# Altium PCB DC-DC_Conv.PcbDoc (part 1 of 3) (continued)
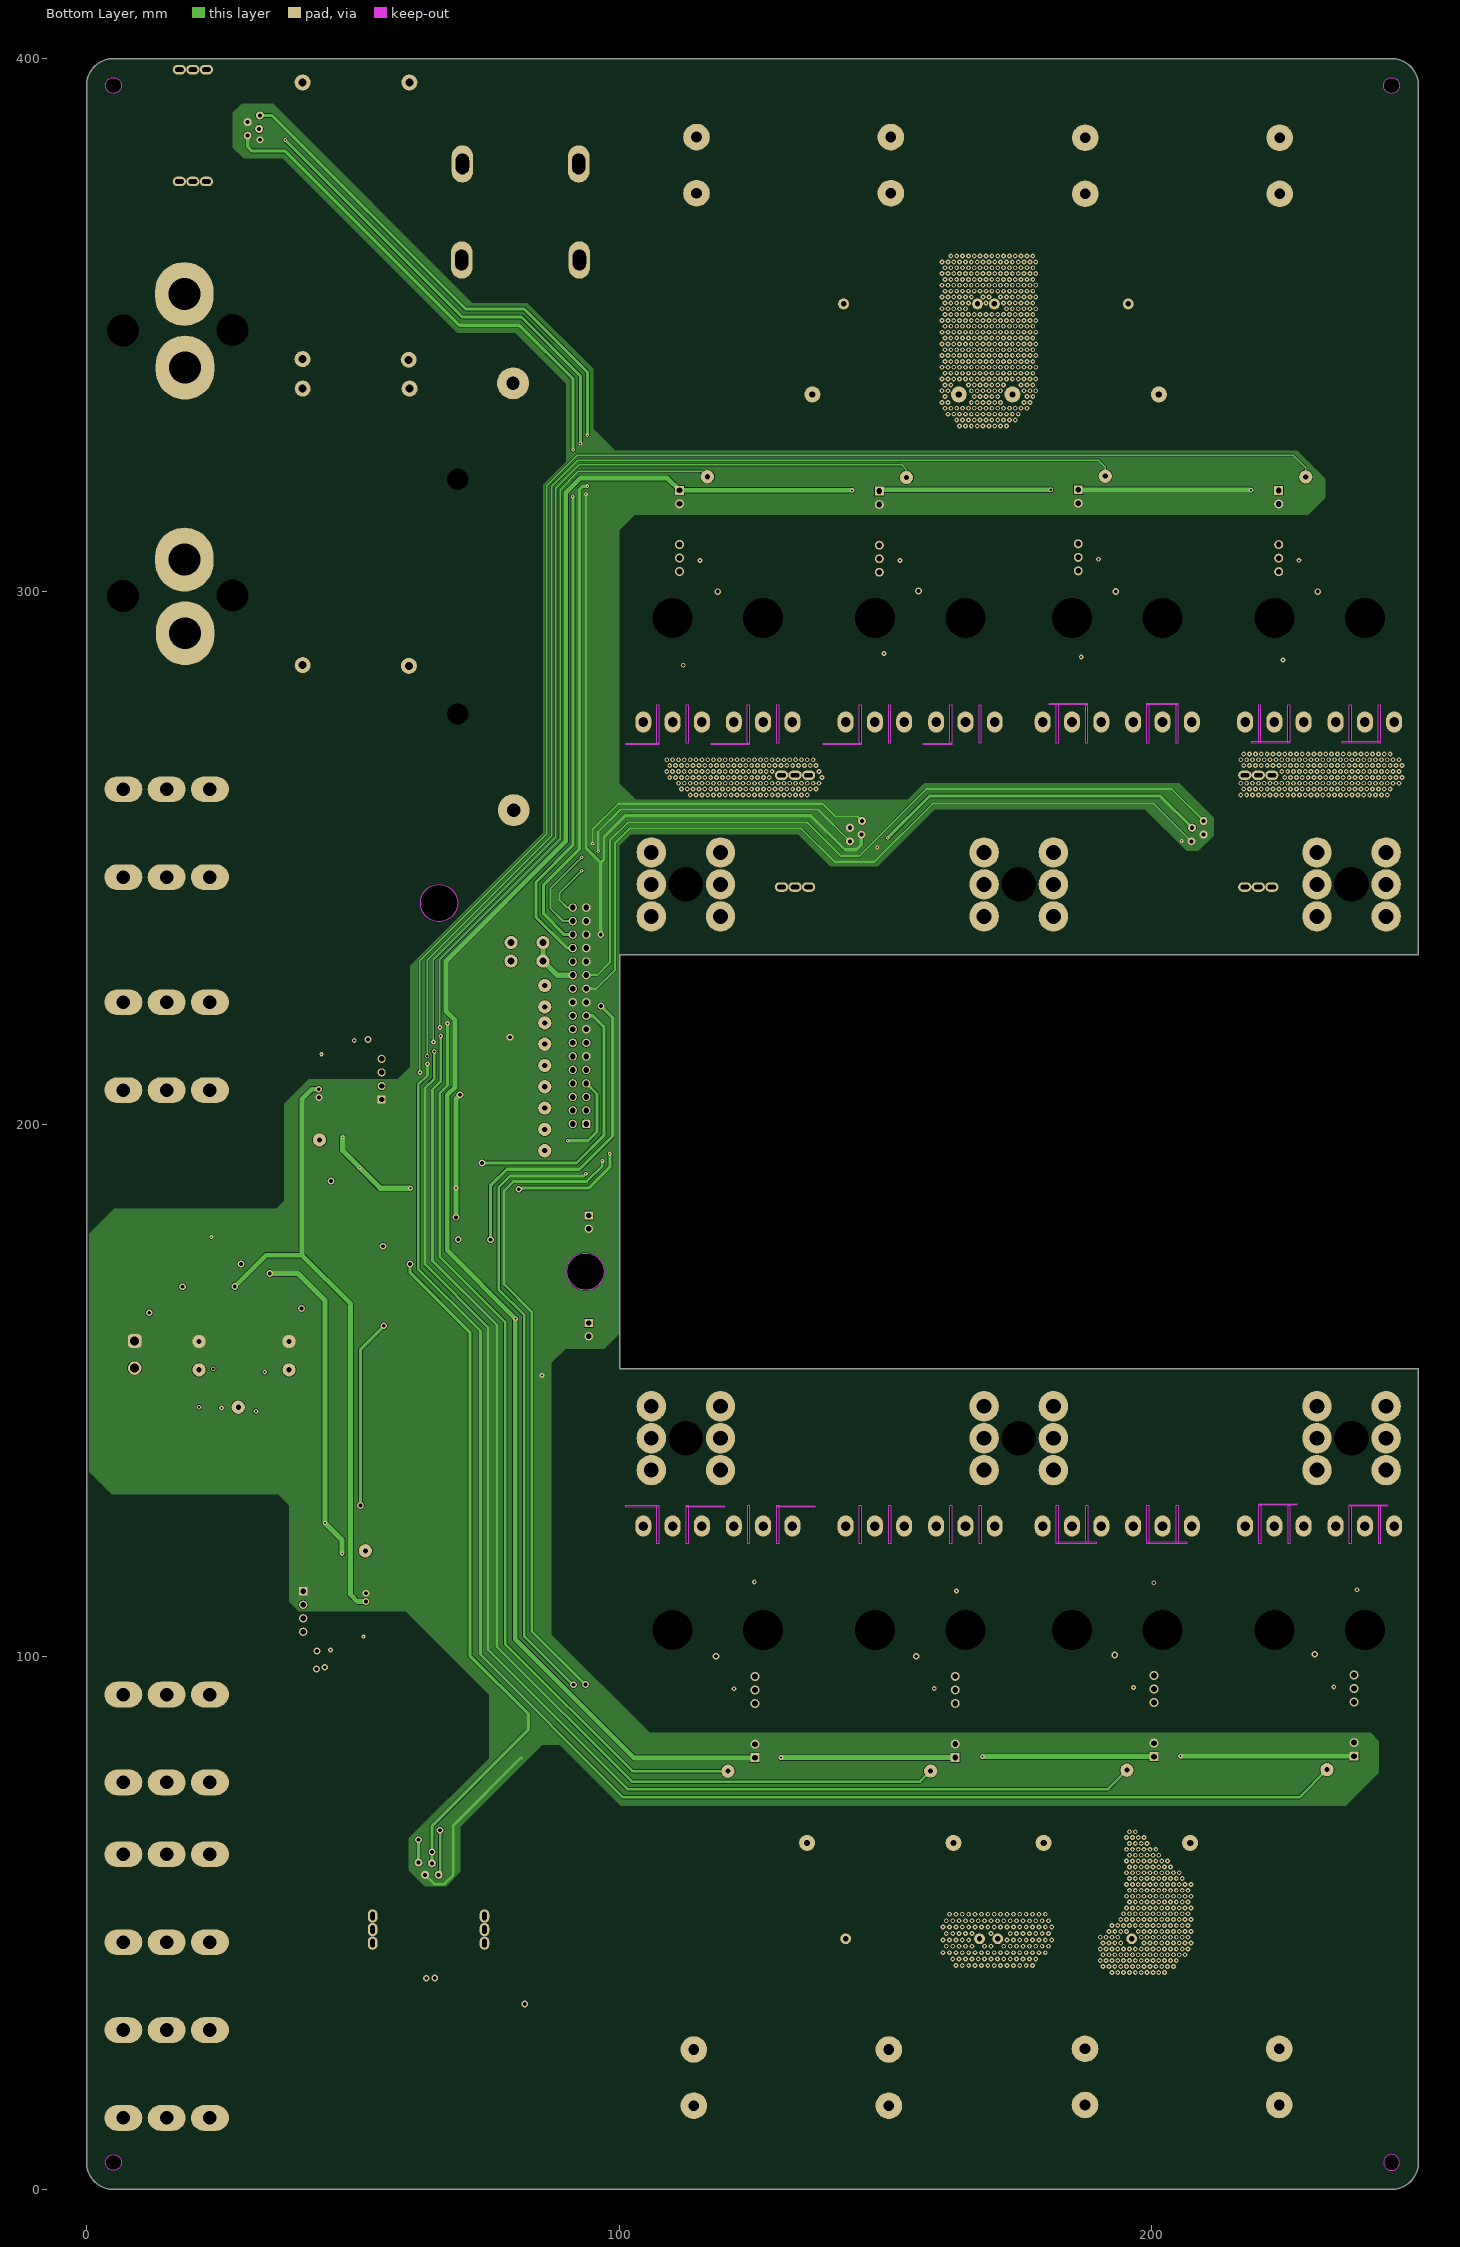
[diagram p3: Bottom Layer]
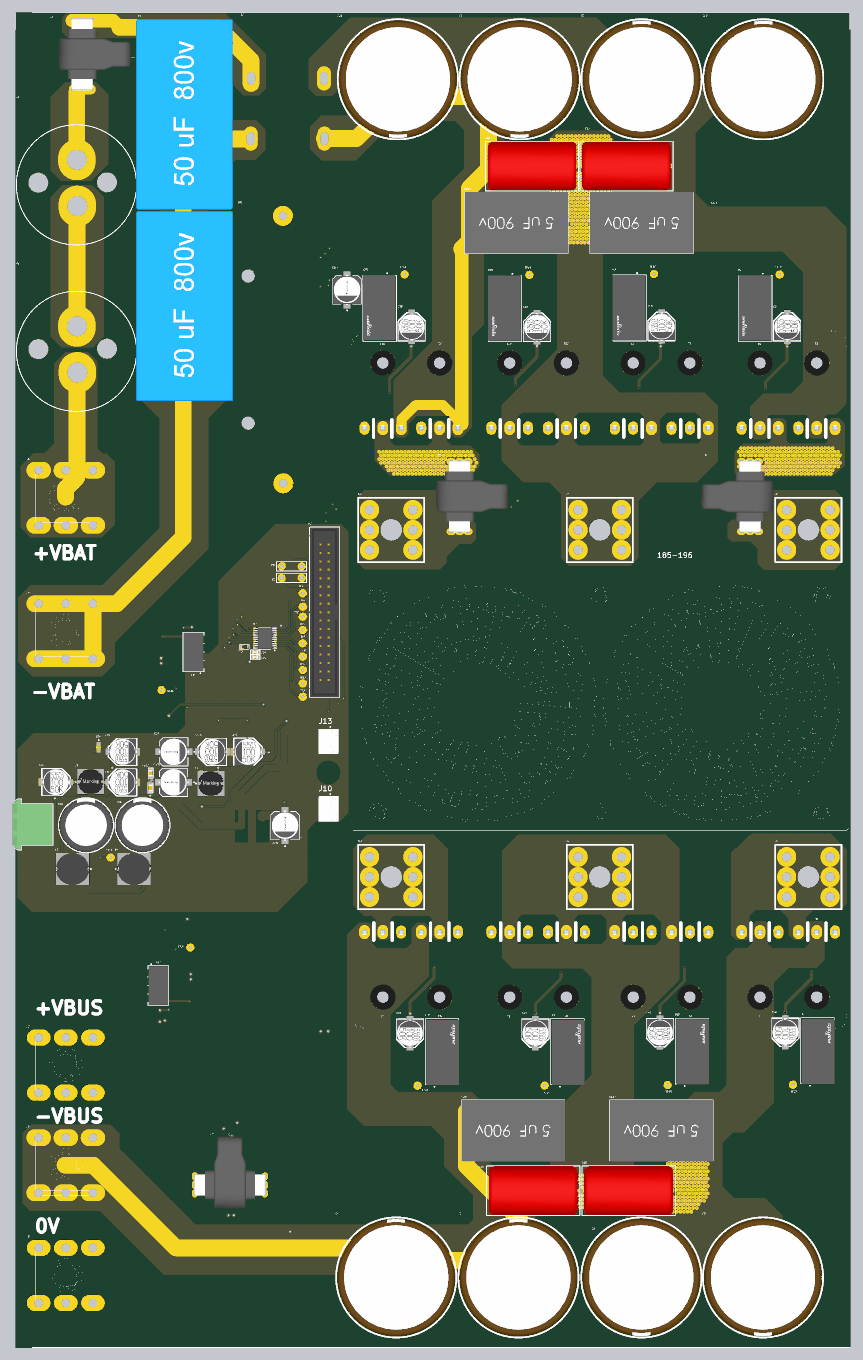
[diagram p6: 3D render of the assembled board from above, using the file's embedded part models]
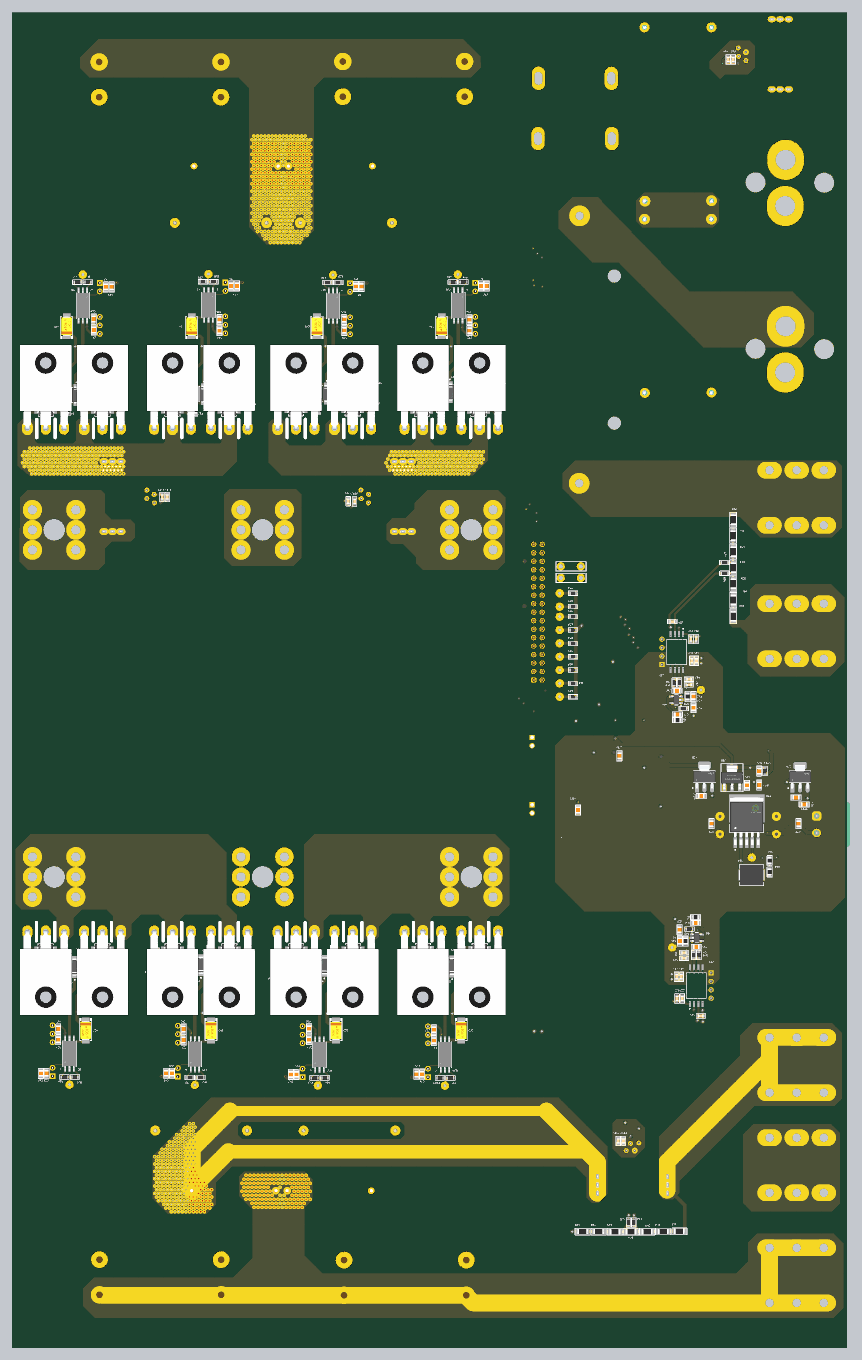
[diagram p7: 3D render of the assembled board from below, using the file's embedded part models]

## Layer stack, top to bottom
Top Solder: solder mask 0.0102, Solder Resist, Dk 3.5
Top Layer 1: signal copper 0.035
Dielectric 2: prepreg 0.0711, PP-006, Dk 4.1
Top Layer: signal copper 0.0356
Dielectric 1: dielectric 0.32, FR-4, Dk 4.8
Bottom Layer: signal copper 0.0356
Dielectric 3: prepreg 0.0711, PP-006, Dk 4.1
Bottom Layer 1: signal copper 0.035
Bottom Solder: solder mask 0.0102, Solder Resist, Dk 3.5

## Board outline
5.006,-0.044 cw(c5.006,5.006) -0.044,5.006 -0.044,395.006 cw(c5.006,395.006) 5.006,400.057 245.006,400.057 cw(c245.006,395.006) 250.057,395.006 250.057,231.85 250.006,231.8 100.057,231.8 100.057,154.05 250.006,154.05 250.057,153.999 250.057,5.006 cw(c245.006,5.006) 245.006,-0.044
cut-out: 66.15,238.016 cw(c66.15,241.5) 62.666,241.5 cw(c66.15,241.5) 66.15,244.984 cw(c66.15,241.5) 69.634,241.5 cw(c66.15,241.5)
cut-out: 93.65,168.791 cw(c93.65,172.275) 90.166,172.275 cw(c93.65,172.275) 93.65,175.759 cw(c93.65,172.275) 97.134,172.275 cw(c93.65,172.275)
cut-out: 245.006,393.506 cw(c245.006,395.006) 243.506,395.006 cw(c245.006,395.006) 245.006,396.506 cw(c245.006,395.006) 246.506,395.006 cw(c245.006,395.006)
cut-out: 5.006,393.506 cw(c5.006,395.006) 3.506,395.006 cw(c5.006,395.006) 5.006,396.506 cw(c5.006,395.006) 6.506,395.006 cw(c5.006,395.006)
cut-out: 243.506,5.006 ccw(c245.006,5.006) 245.006,3.506 ccw(c245.006,5.006) 246.506,5.006 ccw(c245.006,5.006) 245.006,6.506 ccw(c245.006,5.006)
cut-out: 5.006,3.506 cw(c5.006,5.006) 3.506,5.006 cw(c5.006,5.006) 5.006,6.506 cw(c5.006,5.006) 6.506,5.006 cw(c5.006,5.006)
cut-out: 101.275,271.55 107.4,271.55 107.4,271.2 101.275,271.2
cut-out: 117.25,271.55 124.4,271.55 124.4,271.2 117.25,271.2
cut-out: 138.25,271.55 145.4,271.55 145.4,271.2 138.25,271.2
cut-out: 157.1,271.55 162.4,271.55 162.4,271.2 157.1,271.2
cut-out: 180.75,279.05 187.9,279.05 187.9,278.7 180.75,278.7
cut-out: 204.9,278.7 199.05,278.7 199.05,279.05 204.9,279.05
cut-out: 218.725,271.9 225.875,271.9 225.875,271.55 218.725,271.55
cut-out: 242.875,271.525 235.725,271.525 235.725,271.875 242.875,271.875
cut-out: 101.225,128.375 107.425,128.375 107.425,128.025 101.225,128.025
cut-out: 119.725,128 112.575,128 112.575,128.35 119.725,128.35
cut-out: 136.725,128 129.575,128 129.575,128.35 136.725,128.35
cut-out: 189.575,121.225 182.425,121.225 182.425,121.575 189.575,121.575
cut-out: 206.575,121.225 199.425,121.225 199.425,121.575 206.575,121.575
cut-out: 227.225,128.375 220.075,128.375 220.075,128.725 227.225,128.725
cut-out: 244.225,128.2 237.075,128.2 237.075,128.55 244.225,128.55
cut-out: 107.05,271.55 107.05,278.7 107.4,278.7 107.4,271.55
cut-out: 112.55,271.55 112.55,278.7 112.9,278.7 112.9,271.55
cut-out: 124.05,271.55 124.05,278.7 124.4,278.7 124.4,271.55
cut-out: 129.55,271.55 129.55,278.7 129.9,278.7 129.9,271.55
cut-out: 145.05,271.55 145.05,278.7 145.4,278.7 145.4,271.55
cut-out: 150.55,271.55 150.55,278.7 150.9,278.7 150.9,271.55
cut-out: 162.05,271.55 162.05,278.7 162.4,278.7 162.4,271.55
cut-out: 167.55,271.55 167.55,278.7 167.9,278.7 167.9,271.55
cut-out: 182.05,271.55 182.05,278.7 182.4,278.7 182.4,271.55
cut-out: 187.55,271.55 187.55,278.7 187.9,278.7 187.9,271.55
cut-out: 199.05,271.55 199.05,278.7 199.4,278.7 199.4,271.55
cut-out: 204.55,271.55 204.55,278.7 204.9,278.7 204.9,271.55
cut-out: 220.05,271.55 220.05,278.7 220.4,278.7 220.4,271.55
cut-out: 225.55,271.55 225.55,278.7 225.9,278.7 225.9,271.55
cut-out: 237.05,271.55 237.05,278.7 237.4,278.7 237.4,271.55
cut-out: 242.55,271.55 242.55,278.7 242.9,278.7 242.9,271.55
cut-out: 145.075,121.225 145.075,128.375 145.425,128.375 145.425,121.225
cut-out: 150.575,121.225 150.575,128.375 150.925,128.375 150.925,121.225
cut-out: 162.075,121.225 162.075,128.375 162.425,128.375 162.425,121.225
cut-out: 167.575,121.225 167.575,128.375 167.925,128.375 167.925,121.225
cut-out: 182.075,121.225 182.075,128.375 182.425,128.375 182.425,121.225
cut-out: 187.575,121.225 187.575,128.375 187.925,128.375 187.925,121.225
cut-out: 199.075,121.225 199.075,128.375 199.425,128.375 199.425,121.225
cut-out: 204.575,121.225 204.575,128.375 204.925,128.375 204.925,121.225
cut-out: 220.075,121.225 220.075,128.375 220.425,128.375 220.425,121.225
cut-out: 225.575,121.225 225.575,128.375 225.925,128.375 225.925,121.225
cut-out: 237.075,121.225 237.075,128.375 237.425,128.375 237.425,121.225
cut-out: 242.575,121.225 242.575,128.375 242.925,128.375 242.925,121.225
cut-out: 107.075,121.225 107.075,128.375 107.425,128.375 107.425,121.225
cut-out: 112.575,121.225 112.575,128.375 112.925,128.375 112.925,121.225
cut-out: 124.075,121.225 124.075,128.375 124.425,128.375 124.425,121.225
cut-out: 129.575,121.225 129.575,128.375 129.925,128.375 129.925,121.225

## Design rules (kind name [scope] priority, off if disabled: settings)
Clearance [All] p1: gap=0.1 ignorepadtopadclearanceinfootprint=FALSE
DiffPairsRouting [All] p1: maxlimit=0.254 minlimit=0.254 mostfreqgap=0.254 toplayer_minwidth=0.381 toplayer_maxwidth=0.9 toplayer_prefwidth=0.7 midlayer1_minwidth=0.381 midlayer1_maxwidth=0.381 midlayer1_prefwidth=0.381 midlayer2_minwidth=0.381 midlayer2_maxwidth=0.381 midlayer2_prefwidth=0.381 bottomlayer_minwidth=0.381 bottomlayer_maxwidth=0.9 bottomlayer_prefwidth=0.7 maxuncoupledlength=70
Height [All] p1: minheight=0 maxheight=60 prefheight=30
HoleSize [All] p1: absolutevalues=TRUE maxlimit=12 minlimit=0.025 maxpercent=80.000 minpercent=20.000
MatchedLengths [InxSignalClass('Al_Gates')] p1: tolerance=15 checknetsindiffpair=FALSE checkdiffpairvsdiffpair=TRUE checkxsignals=TRUE checkothers=TRUE
MatchedLengths MatchLengths_U1_Passives_T2_7 [InxSignalClass('Al_Gates')] p2: tolerance=10 checknetsindiffpair=FALSE checkdiffpairvsdiffpair=TRUE checkxsignals=TRUE checkothers=TRUE
MatchedLengths MatchLengths_xSignals_U1_Passives_10 [InxSignalClass('xSignals_U1_Passives_MatchLengthsClass')] p3: tolerance=2.54 checknetsindiffpair=FALSE checkdiffpairvsdiffpair=TRUE checkxsignals=TRUE checkothers=TRUE
MatchedLengths MatchLengths_xSignals_U1_T2_4 [InxSignalClass('xSignals_U1_T2_MatchLengthsClass')] p4: tolerance=2.54 checknetsindiffpair=FALSE checkdiffpairvsdiffpair=TRUE checkxsignals=TRUE checkothers=TRUE
MatchedLengths MatchLengths_xSignals_U2_T4 [InxSignalClass('xSignals_U2_T4_MatchLengthsClass')] p5: tolerance=2.54 checknetsindiffpair=FALSE checkdiffpairvsdiffpair=TRUE checkxsignals=TRUE checkothers=TRUE
MatchedLengths MatchLengths_xSignals_U2_T2 [InxSignalClass('xSignals_U2_T2_MatchLengthsClass')] p6: tolerance=2.54 checknetsindiffpair=FALSE checkdiffpairvsdiffpair=TRUE checkxsignals=TRUE checkothers=TRUE
MatchedLengths MatchLengths_xSignals_U7_Passives_1 [InxSignalClass('xSignals_U7_Passives_MatchLengthsClass_1')] p7: tolerance=2.54 checknetsindiffpair=FALSE checkdiffpairvsdiffpair=TRUE checkxsignals=TRUE checkothers=TRUE
MatchedLengths MatchLengths_xSignals_U7_Passives [InxSignalClass('xSignals_U7_Passives_MatchLengthsClass')] p8: tolerance=2.54 checknetsindiffpair=FALSE checkdiffpairvsdiffpair=TRUE checkxsignals=TRUE checkothers=TRUE
MatchedLengths MatchLengths_xSignals_U7_T6 [InxSignalClass('xSignals_U7_T6_MatchLengthsClass')] p9: tolerance=2.54 checknetsindiffpair=FALSE checkdiffpairvsdiffpair=TRUE checkxsignals=TRUE checkothers=TRUE
MatchedLengths MatchLengths_U1_Passives_T4_2 [InxSignalClass('xSignals_U1_Passives_T2_MatchLengthsClass_7')] p10: tolerance=2.54 checknetsindiffpair=FALSE checkdiffpairvsdiffpair=TRUE checkxsignals=TRUE checkothers=TRUE
MatchedLengths MatchLengths_xSignals_U1_Passives_9 [InxSignalClass('xSignals_U1_Passives_MatchLengthsClass_9')] p11: tolerance=2.54 checknetsindiffpair=FALSE checkdiffpairvsdiffpair=TRUE checkxsignals=TRUE checkothers=TRUE
MatchedLengths MatchLengths_xSignals_U1_T2_3 [InxSignalClass('xSignals_U1_T2_MatchLengthsClass_3')] p12: tolerance=2.54 checknetsindiffpair=FALSE checkdiffpairvsdiffpair=TRUE checkxsignals=TRUE checkothers=TRUE
MatchedLengths MatchLengths_U1_Passives_T2_6 [InxSignalClass('xSignals_U1_Passives_T2_MatchLengthsClass_6')] p13: tolerance=2.54 checknetsindiffpair=FALSE checkdiffpairvsdiffpair=TRUE checkxsignals=TRUE checkothers=TRUE
MatchedLengths MatchLengths_xSignals_U1_Passives_8 [InxSignalClass('xSignals_U1_Passives_MatchLengthsClass_8')] p14: tolerance=2.54 checknetsindiffpair=FALSE checkdiffpairvsdiffpair=TRUE checkxsignals=TRUE checkothers=TRUE
MatchedLengths MatchLengths_U1_Passives_T2_5 [InxSignalClass('xSignals_U1_Passives_T2_MatchLengthsClass_5')] p15: tolerance=2.54 checknetsindiffpair=FALSE checkdiffpairvsdiffpair=TRUE checkxsignals=TRUE checkothers=TRUE
MatchedLengths MatchLengths_xSignals_U1_Passives_7 [InxSignalClass('xSignals_U1_Passives_MatchLengthsClass_7')] p16: tolerance=2.54 checknetsindiffpair=FALSE checkdiffpairvsdiffpair=TRUE checkxsignals=TRUE checkothers=TRUE
MatchedLengths MatchLengths_U1_Passives_T2_4 [InxSignalClass('xSignals_U1_Passives_T2_MatchLengthsClass_4')] p17: tolerance=2.54 checknetsindiffpair=FALSE checkdiffpairvsdiffpair=TRUE checkxsignals=TRUE checkothers=TRUE
MatchedLengths MatchLengths_xSignals_U1_Passives_6 [InxSignalClass('xSignals_U1_Passives_MatchLengthsClass_6')] p18: tolerance=2.54 checknetsindiffpair=FALSE checkdiffpairvsdiffpair=TRUE checkxsignals=TRUE checkothers=TRUE
MatchedLengths MatchLengths_xSignals_U1_T2_2 [InxSignalClass('xSignals_U1_T2_MatchLengthsClass_2')] p19: tolerance=2.54 checknetsindiffpair=FALSE checkdiffpairvsdiffpair=TRUE checkxsignals=TRUE checkothers=TRUE
MatchedLengths MatchLengths_U1_Passives_T4_1 [InxSignalClass('xSignals_U1_Passives_T4_MatchLengthsClass_1')] p20: tolerance=2.54 checknetsindiffpair=FALSE checkdiffpairvsdiffpair=TRUE checkxsignals=TRUE checkothers=TRUE
MatchedLengths MatchLengths_xSignals_U1_Passives_5 [InxSignalClass('xSignals_U1_Passives_MatchLengthsClass_5')] p21: tolerance=2.54 checknetsindiffpair=FALSE checkdiffpairvsdiffpair=TRUE checkxsignals=TRUE checkothers=TRUE
MatchedLengths MatchLengths_xSignals_U1_T4_1 [InxSignalClass('xSignals_U1_T4_MatchLengthsClass_1')] p22: tolerance=2.54 checknetsindiffpair=FALSE checkdiffpairvsdiffpair=TRUE checkxsignals=TRUE checkothers=TRUE
MatchedLengths MatchLengths_U1_Passives_T4 [InxSignalClass('xSignals_U1_Passives_T4_MatchLengthsClass')] p23: tolerance=2.54 checknetsindiffpair=FALSE checkdiffpairvsdiffpair=TRUE checkxsignals=TRUE checkothers=TRUE
MatchedLengths MatchLengths_xSignals_U1_Passives_4 [InxSignalClass('xSignals_U1_Passives_MatchLengthsClass_4')] p24: tolerance=2.54 checknetsindiffpair=FALSE checkdiffpairvsdiffpair=TRUE checkxsignals=TRUE checkothers=TRUE
MatchedLengths MatchLengths_xSignals_U1_T4 [InxSignalClass('xSignals_U1_T4_MatchLengthsClass')] p25: tolerance=2.54 checknetsindiffpair=FALSE checkdiffpairvsdiffpair=TRUE checkxsignals=TRUE checkothers=TRUE
MatchedLengths MatchLengths_U1_Passives_T2_3 [InxSignalClass('xSignals_U1_Passives_T2_MatchLengthsClass_3')] p26: tolerance=2.54 checknetsindiffpair=FALSE checkdiffpairvsdiffpair=TRUE checkxsignals=TRUE checkothers=TRUE
MatchedLengths MatchLengths_xSignals_U1_Passives_3 [InxSignalClass('xSignals_U1_Passives_MatchLengthsClass_3')] p27: tolerance=2.54 checknetsindiffpair=FALSE checkdiffpairvsdiffpair=TRUE checkxsignals=TRUE checkothers=TRUE
MatchedLengths MatchLengths_U1_Passives_T2_2 [InxSignalClass('xSignals_U1_Passives_T2_MatchLengthsClass_2')] p28: tolerance=2.54 checknetsindiffpair=FALSE checkdiffpairvsdiffpair=TRUE checkxsignals=TRUE checkothers=TRUE
MatchedLengths MatchLengths_xSignals_U1_Passives_2 [InxSignalClass('xSignals_U1_Passives_MatchLengthsClass_2')] p29: tolerance=2.54 checknetsindiffpair=FALSE checkdiffpairvsdiffpair=TRUE checkxsignals=TRUE checkothers=TRUE
MatchedLengths MatchLengths_xSignals_U1_T2_1 [InxSignalClass('xSignals_U1_T2_MatchLengthsClass_1')] p30: tolerance=2.54 checknetsindiffpair=FALSE checkdiffpairvsdiffpair=TRUE checkxsignals=TRUE checkothers=TRUE
MatchedLengths MatchLengths_U1_Passives_T2_1 [InxSignalClass('xSignals_U1_Passives_T2_MatchLengthsClass_1')] p31: tolerance=2.54 checknetsindiffpair=FALSE checkdiffpairvsdiffpair=TRUE checkxsignals=TRUE checkothers=TRUE
MatchedLengths MatchLengths_xSignals_U1_Passives_1 [InxSignalClass('xSignals_U1_Passives_MatchLengthsClass_1')] p32: tolerance=2.54 checknetsindiffpair=FALSE checkdiffpairvsdiffpair=TRUE checkxsignals=TRUE checkothers=TRUE
MatchedLengths MatchLengths_U1_Passives_T2 [InxSignalClass('xSignals_U1_Passives_T2_MatchLengthsClass')] p33: tolerance=2.54 checknetsindiffpair=FALSE checkdiffpairvsdiffpair=TRUE checkxsignals=TRUE checkothers=TRUE
MatchedLengths MatchLengths_xSignals_U1_Passives [InxSignalClass('xSignals_U1_Passives_MatchLengthsClass')] p34: tolerance=2.54 checknetsindiffpair=FALSE checkdiffpairvsdiffpair=TRUE checkxsignals=TRUE checkothers=TRUE
MatchedLengths MatchLengths_xSignals_U1_T2 [InxSignalClass('xSignals_U1_T2_MatchLengthsClass')] p35: tolerance=2.54 checknetsindiffpair=FALSE checkdiffpairvsdiffpair=TRUE checkxsignals=TRUE checkothers=TRUE
MatchedLengths MatchLengths_U10_Passives_T7_1 [InxSignalClass('xSignals_U10_Passives_T7_MatchLengthsClass_1')] p36: tolerance=2.54 checknetsindiffpair=FALSE checkdiffpairvsdiffpair=TRUE checkxsignals=TRUE checkothers=TRUE
MatchedLengths MatchLengths_xSignals_U10_Passives_1 [InxSignalClass('xSignals_U10_Passives_MatchLengthsClass_1')] p37: tolerance=2.54 checknetsindiffpair=FALSE checkdiffpairvsdiffpair=TRUE checkxsignals=TRUE checkothers=TRUE
MatchedLengths MatchLengths_xSignals_U10_T7_1 [InxSignalClass('xSignals_U10_T7_MatchLengthsClass_1')] p38: tolerance=2.54 checknetsindiffpair=FALSE checkdiffpairvsdiffpair=TRUE checkxsignals=TRUE checkothers=TRUE
MatchedLengths MatchLengths_U10_Passives_T7 [InxSignalClass('xSignals_U10_Passives_T7_MatchLengthsClass')] p39: tolerance=2.54 checknetsindiffpair=FALSE checkdiffpairvsdiffpair=TRUE checkxsignals=TRUE checkothers=TRUE
MatchedLengths MatchLengths_xSignals_U10_Passives [InxSignalClass('xSignals_U10_Passives_MatchLengthsClass')] p40: tolerance=2.54 checknetsindiffpair=FALSE checkdiffpairvsdiffpair=TRUE checkxsignals=TRUE checkothers=TRUE
MatchedLengths MatchLengths_xSignals_U10_T7 [InxSignalClass('xSignals_U10_T7_MatchLengthsClass')] p41: tolerance=2.54 checknetsindiffpair=FALSE checkdiffpairvsdiffpair=TRUE checkxsignals=TRUE checkothers=TRUE
MinimumSolderMaskSliver [All] p1: minsoldermaskwidth=0.01
PlaneClearance [All] p1: clearance=0.808
PlaneConnect [All] p1: planeconnectstyle=Direct reliefexpansion=0.508 reliefentries=4 reliefconductorwidth=0.254 reliefairgap=0.254
PolygonConnect [All] p1: connectstyle=Direct reliefconductorwidth=0.254 reliefentries=4 polygonreliefangle="90 Angle" airgapwidth=0.254
RoutingVias [All] p1: holewidth=0.4 width=0.9 viastyle="Through Hole" minholewidth=0.3 minwidth=0.7 maxholewidth=0.711 maxwidth=1.3
SilkToSilkClearance [All] p1: silktosilkclearance=0.1
SilkToSolderMaskClearance [IsPad] p1: minsilkscreentomaskgap=0 clearancetoexposedcopper=TRUE
SolderMaskExpansion [All] p1: expansion=0.102 istentingtop=FALSE
SupplyNets "Schematic Supply Nets_9" [InNet('+5V_1')] p1: voltage=0.000
SupplyNets "Schematic Supply Nets_8" [InNet('VCC')] p2: voltage=0.000
SupplyNets "Schematic Supply Nets_7" [InNet('GND')] p3: voltage=0.000
SupplyNets "Schematic Supply Nets_6" [InNet('+5')] p4: voltage=0.000
SupplyNets "Schematic Supply Nets_5" [InNet('+8VDC')] p5: voltage=0.000
SupplyNets "Schematic Supply Nets_4" [InNet('+3V3')] p6: voltage=0.000
SupplyNets "Schematic Supply Nets_3" [InNet('+5V')] p7: voltage=0.000
SupplyNets "Schematic Supply Nets_2" [InNet('+12')] p8: voltage=0.000
Width [All] p1: maxlimit=5 minlimit=0.254 preferedwidth=0.5 toplayer_minwidth=0.3 midlayer1_maxwidth=4 midlayer1_prefwidth=0.254 midlayer2_prefwidth=0.254 bottomlayer_minwidth=0.3 minimp=50.000000 maximp=50.000000 favimp=50.000000 checkconnectedcopper=TRUE
22 further rules are at their usual default settings.
